# Altium PCB Daughterboard_PCB.PcbDoc
Units mm, origin at the board's own origin, x right, y up, seen from the top; angles counter-clockwise.
Board outline 99 x 139 mm, 6 copper layers (Top, VCC, VS, Internal, GND, Bottom), stack 1.597 mm thick; 83 components, 140 nets, 493 pads, 49 vias.
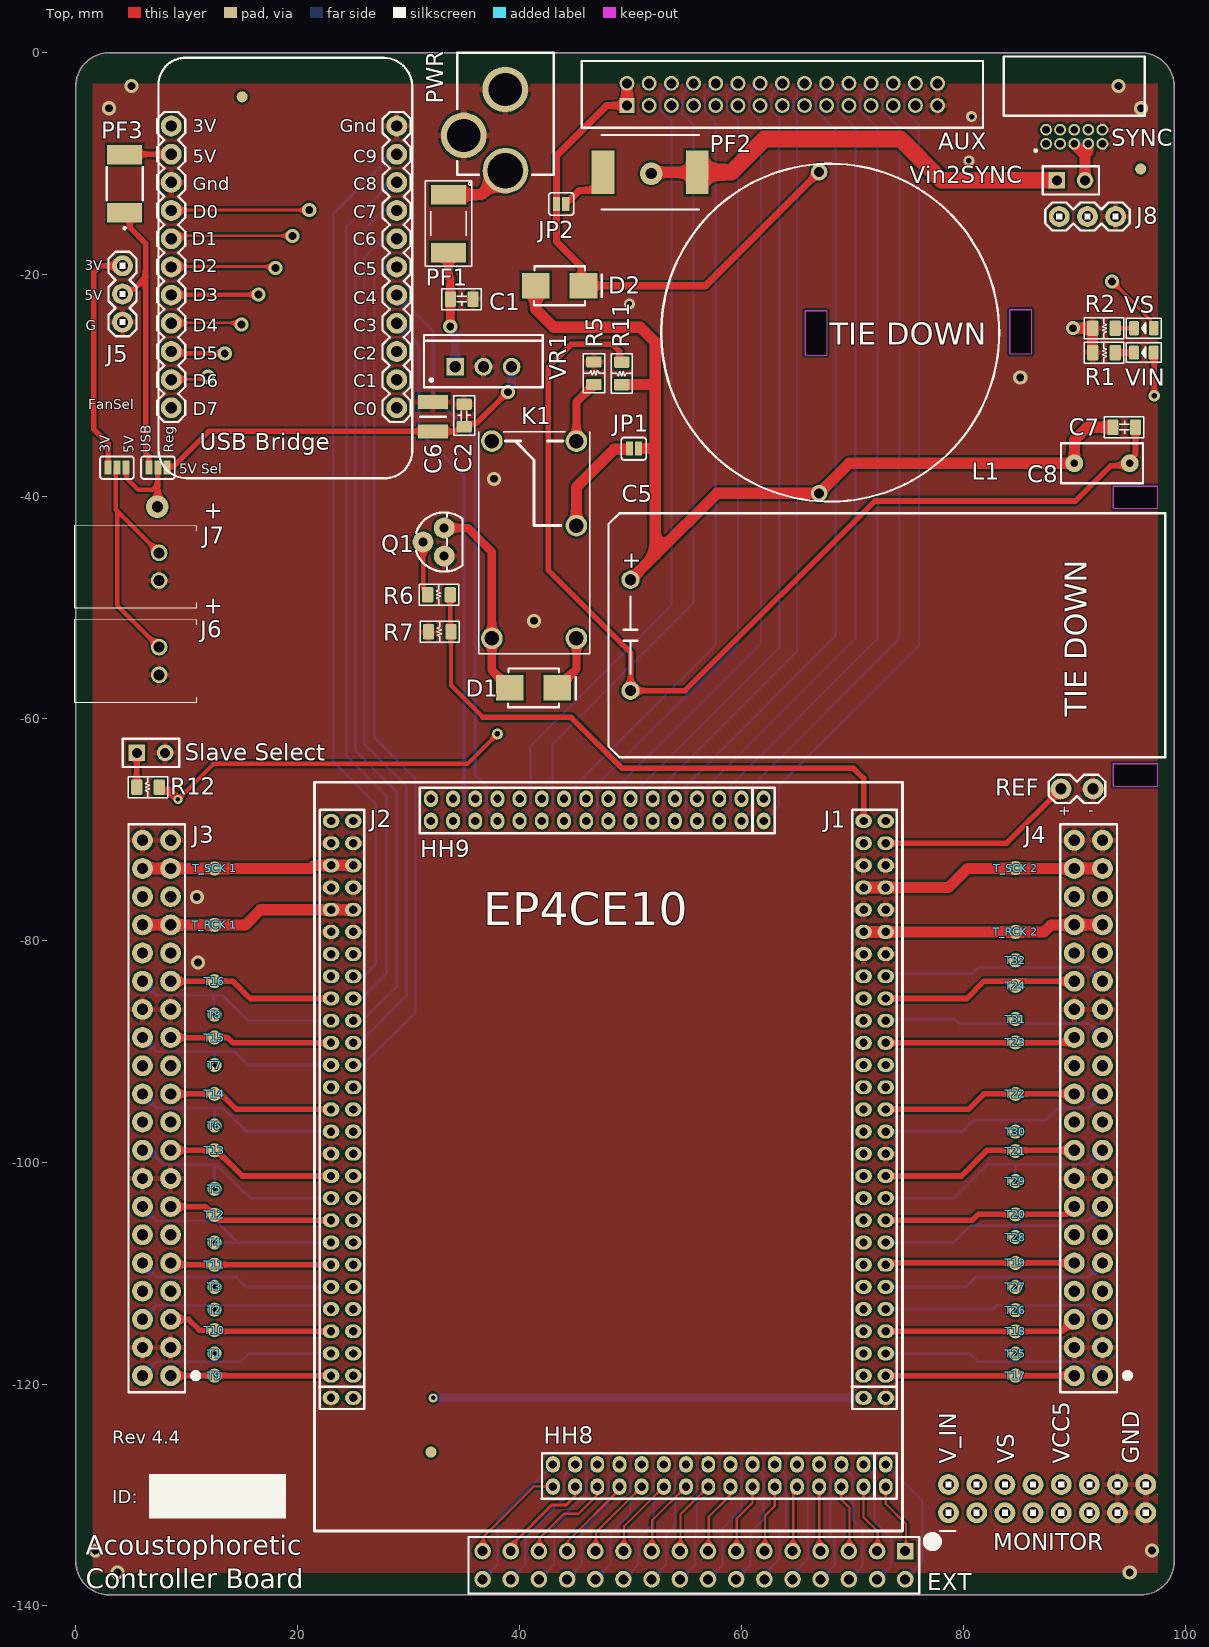
[diagram p0: Top view]
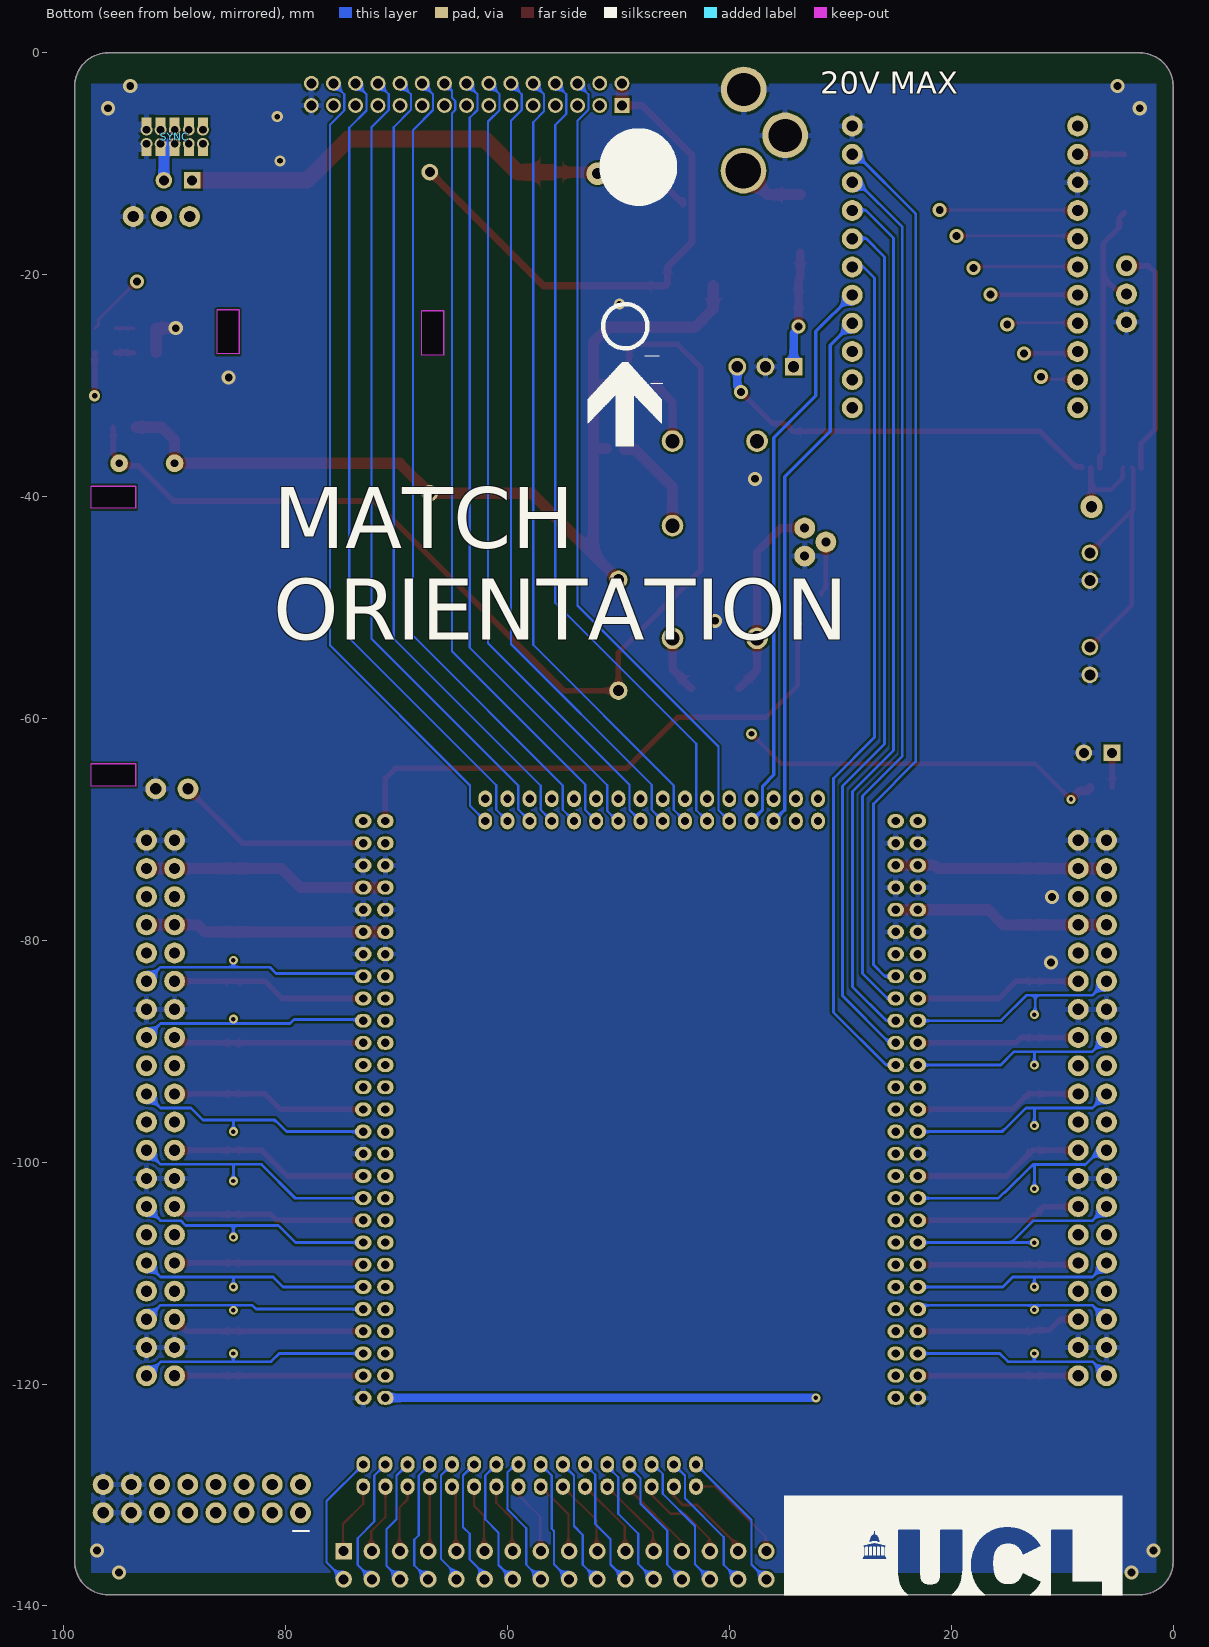
[diagram p1: Bottom view, seen from below]
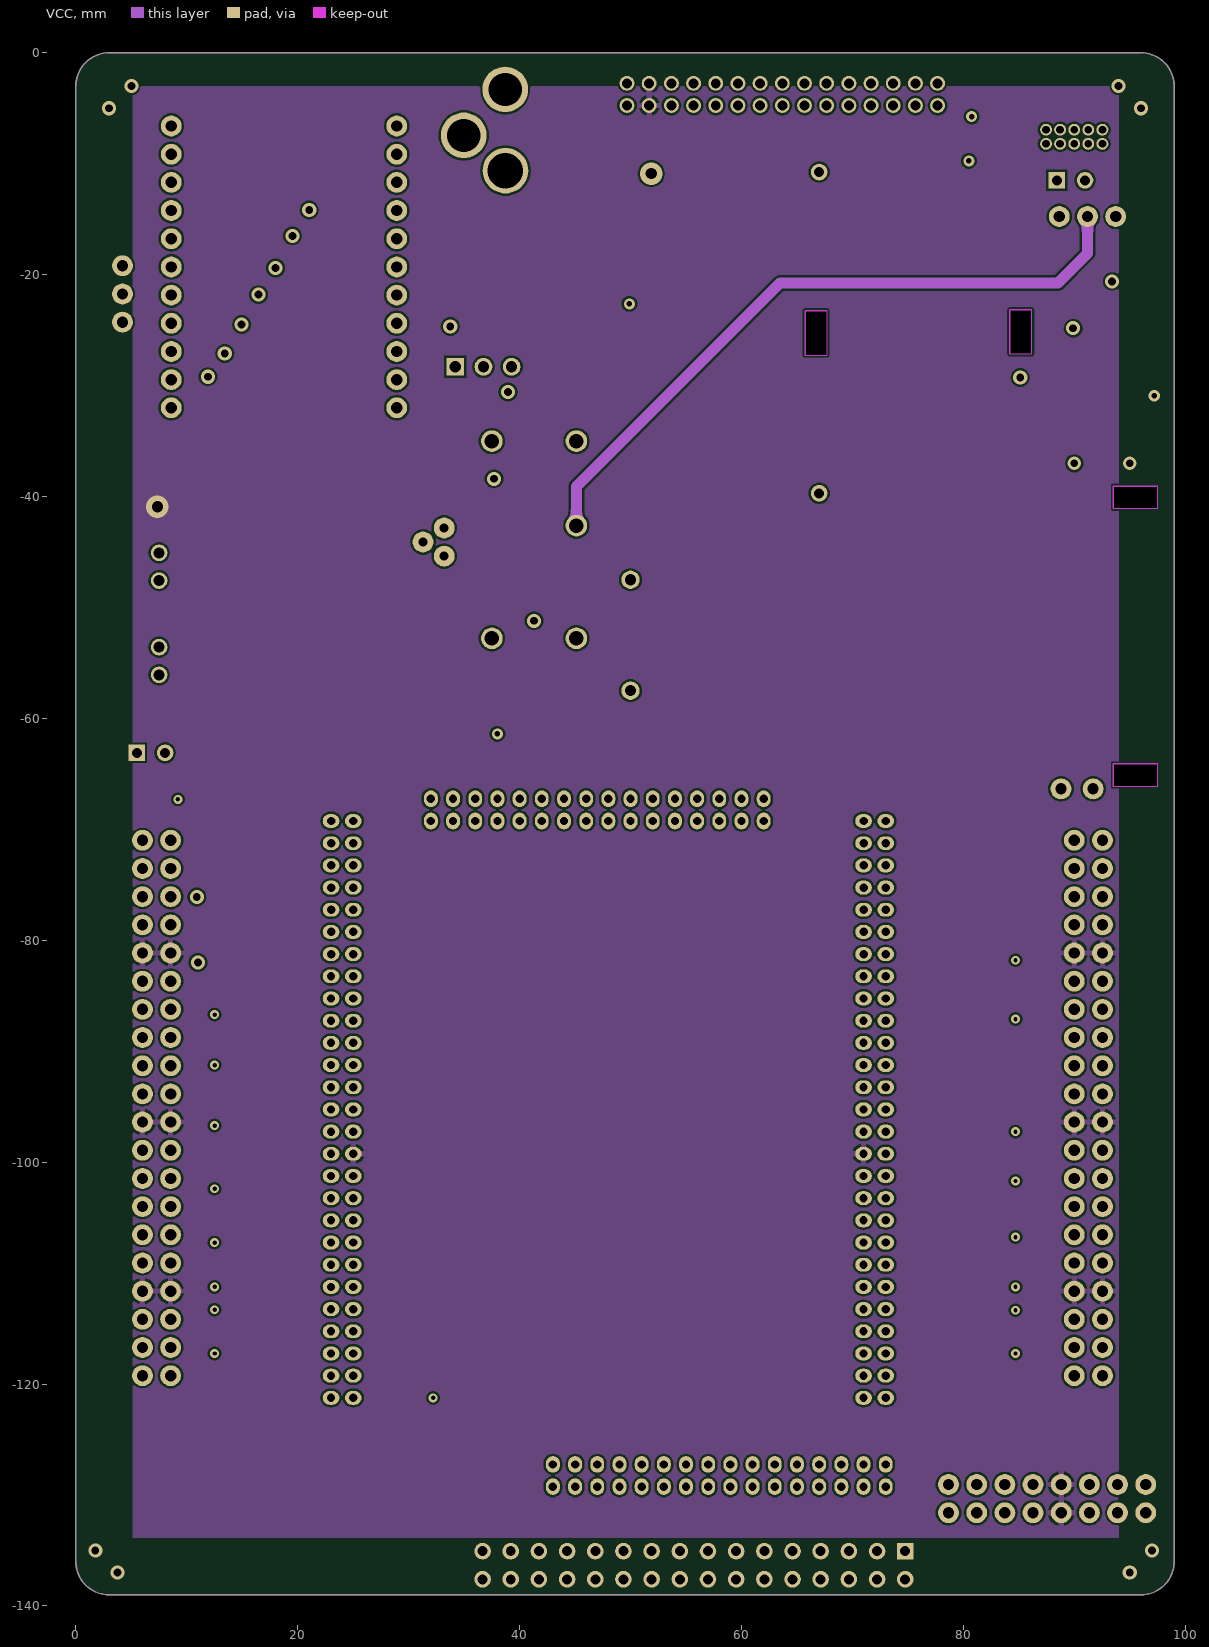
[diagram p2: VCC]
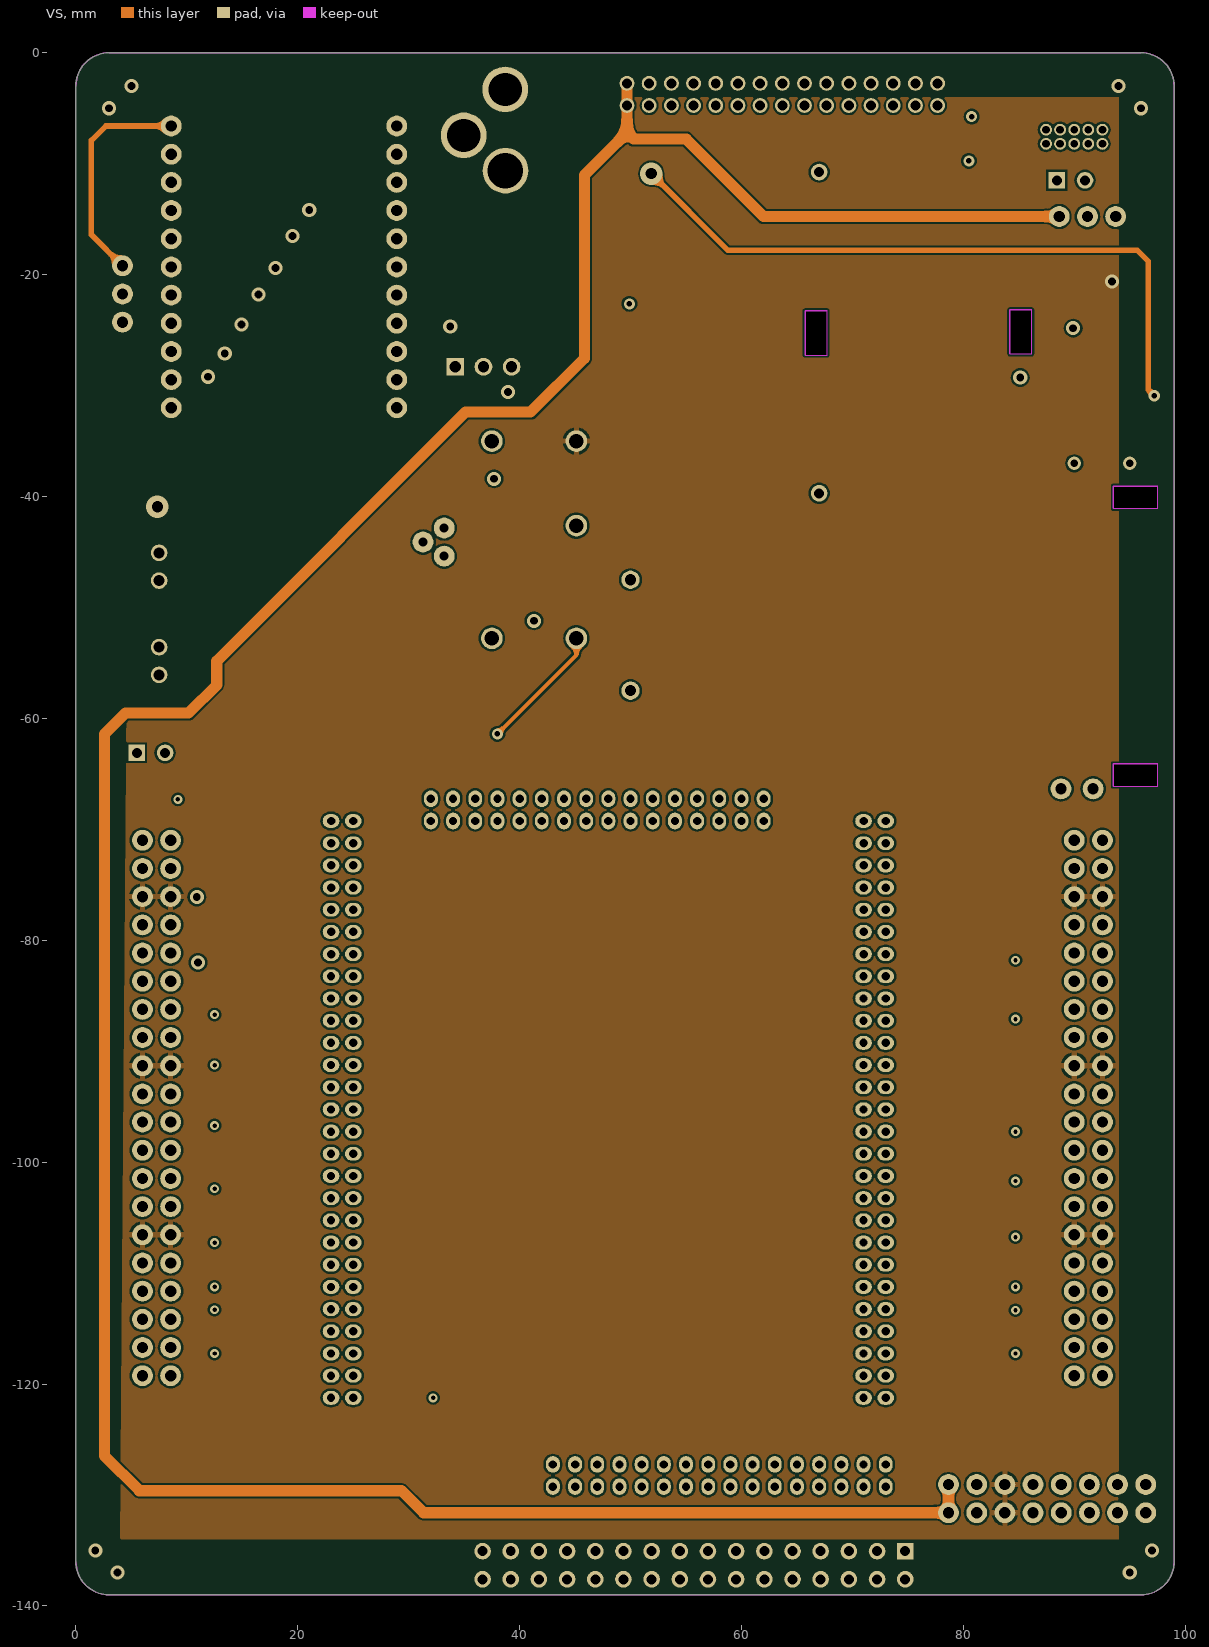
[diagram p3: VS]
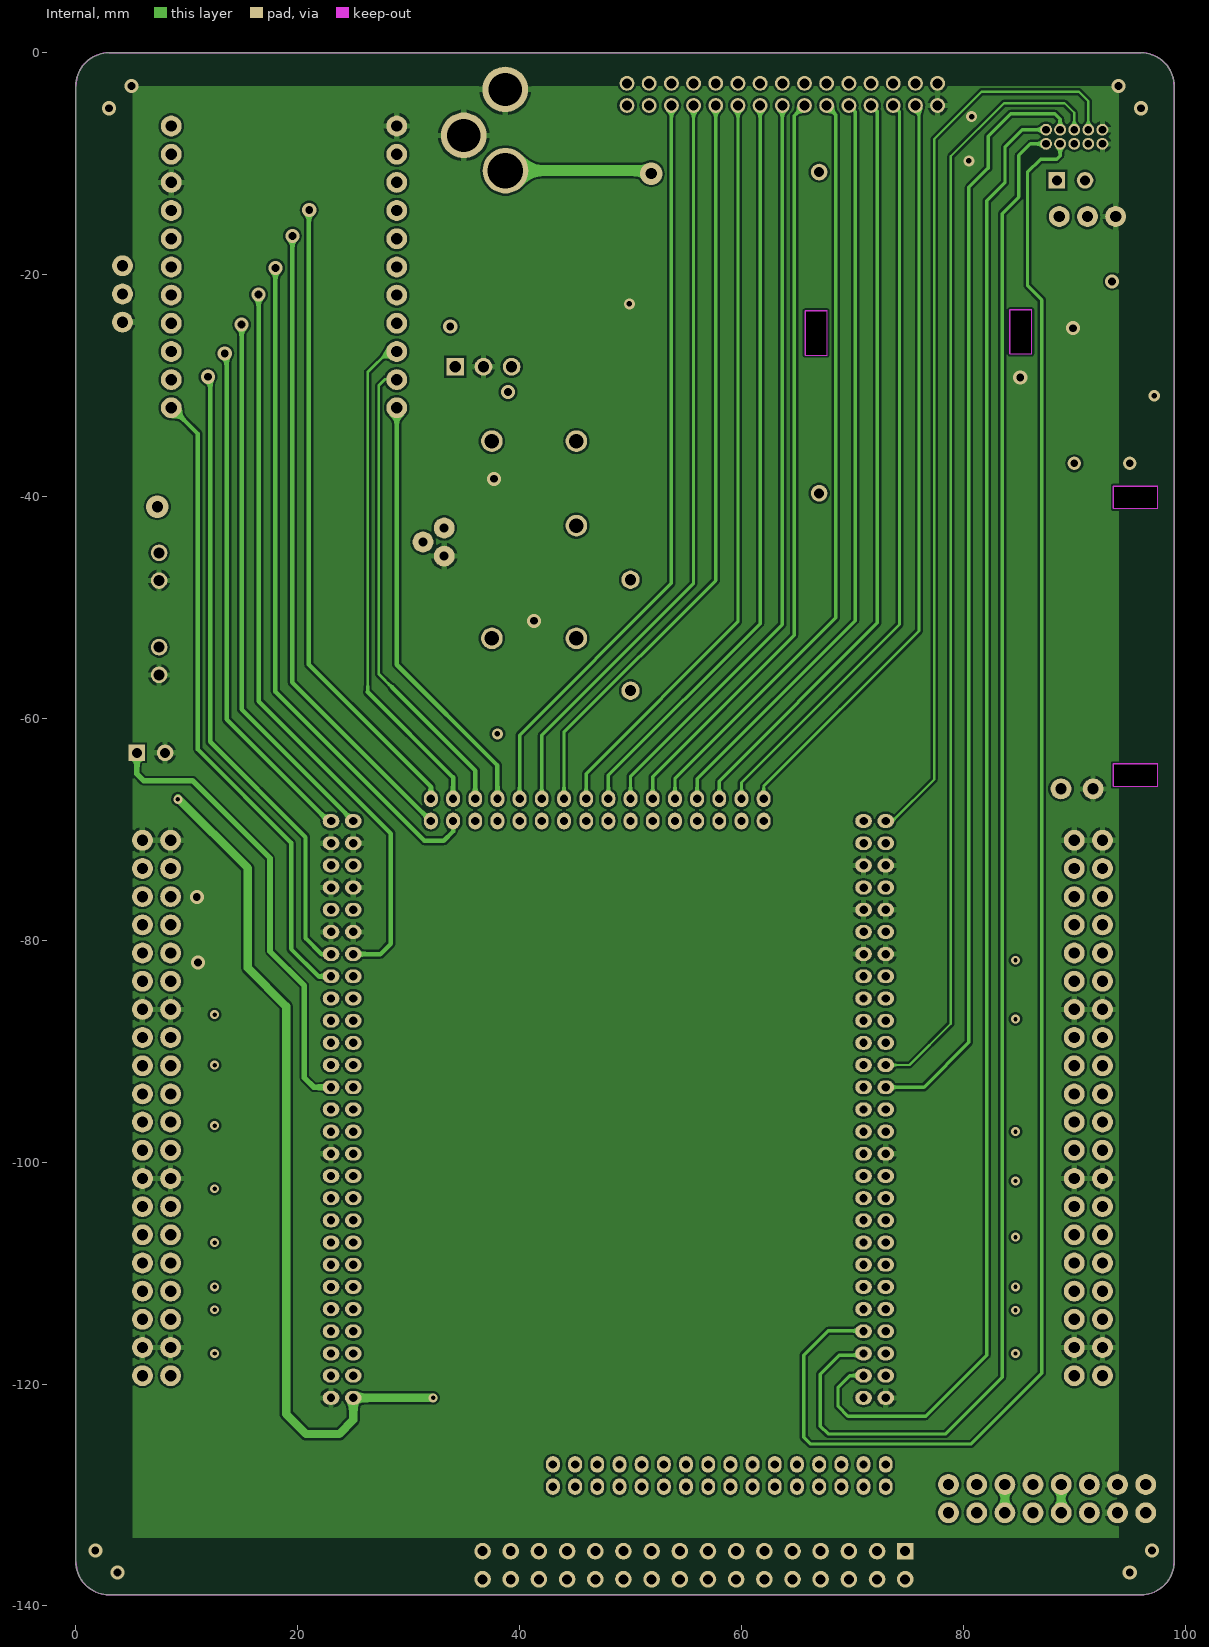
[diagram p4: Internal]
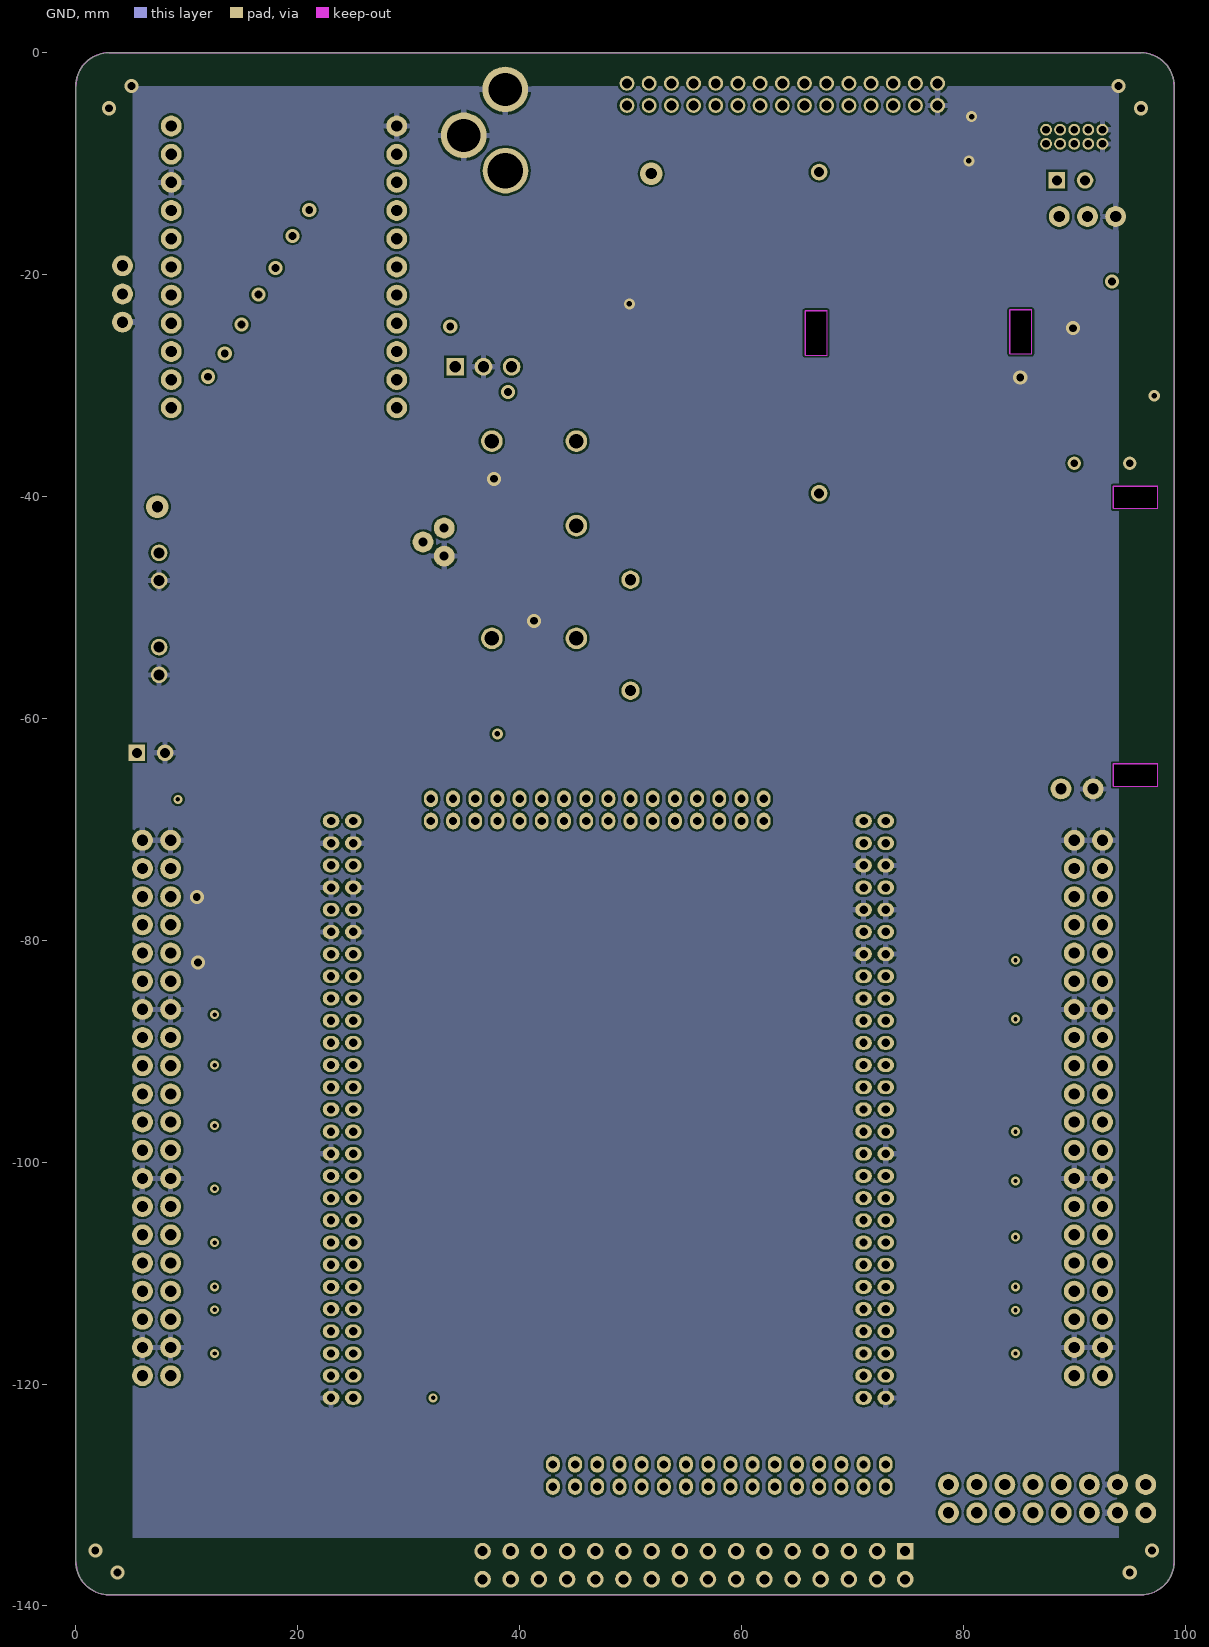
[diagram p5: GND]

## Layer stack, top to bottom
Top Mask: solder mask 0.015, Solder Resist, Dk 3.8
Top: signal copper 0.035
Dielectric 1: prepreg 0.1, 2313, Dk 4.05
VCC: signal copper 0.0175
Core 1: core 0.565, FR-4, Dk 4.5
VS: signal copper 0.0175
Dielectric 2: prepreg 0.127, 2116, Dk 4.25
Internal: signal copper 0.0175
Core 2: core 0.565, FR-4, Dk 4.5
GND: signal copper 0.0175
Dielectric 3: prepreg 0.1, 2313, Dk 4.05
Bottom: signal copper 0.035
Bottom Mask: solder mask 0.015, Solder Resist, Dk 3.8

## Board outline
0,-136 0,-3 cw(c3,-3) 3,0 96,0 cw(c96,-3) 99,-3 99,-136 cw(c96,-136) 96,-139 3,-139 cw(c3,-136)
cut-out: 84.175,-23.15 84.175,-27.15 86.175,-27.15 86.175,-23.15
cut-out: 65.725,-23.25 65.725,-27.25 67.725,-27.25 67.725,-23.25
cut-out: 93.525,-66.1 97.525,-66.1 97.525,-64.1 93.525,-64.1
cut-out: 93.525,-41.075 97.525,-41.075 97.525,-39.075 93.525,-39.075

## Design rules (kind name [scope] priority, off if disabled: settings)
BoardOutlineClearance [All] p1: gap=0.2 ignorepadtopadclearanceinfootprint=FALSE except(0.4: Arc-SplitBarrior Arc-SplitContinuation Track-SplitBarrior Track-SplitContinuation SMDPad-SplitBarrior SMDPad-SplitContinuation THPad-SplitBarrior THPad-SplitContinuation Via-SplitBarrior Via-SplitContinuation Fill-SplitBarrior Fill-SplitContinuation Poly-SplitBarrior Poly-SplitContinuation Region-SplitBarrior Region-SplitContinuation Text-SplitBarrior Text-SplitContinuation)
Clearance "Clearance Bottom Layer" [OnLayer('Bottom Layer')] p1: gap=0.203 ignorepadtopadclearanceinfootprint=TRUE except(0.254: Arc-Text Track-Text SMDPad-Text THPad-Text Via-Text Fill-Text Poly-Text Region-Text Text-Text)
Clearance "Clearance Top Layer" [OnLayer('Top Layer')] p2: gap=0.203 ignorepadtopadclearanceinfootprint=TRUE except(0.254: Arc-Text Track-Text SMDPad-Text THPad-Text Via-Text Fill-Text Poly-Text Region-Text Text-Text)
Clearance [All] p3: gap=0.2 ignorepadtopadclearanceinfootprint=FALSE except(0.089: Arc-Arc Arc-Track Arc-SMDPad Track-Track Track-SMDPad SMDPad-SMDPad; 0.127: Arc-Via Track-Via SMDPad-Via THPad-Via Via-Via; 0.254: Arc-Text Track-Text SMDPad-Text THPad-Text Via-Text Fill-Text Poly-Text Region-Text Text-Text)
HoleSize [All] p1: absolutevalues=TRUE maxlimit=6.3 minlimit=0.2 maxpercent=80.000 minpercent=20.000
MinimumAnnularRing [All] p1: minimumring=0.076
MinimumSolderMaskSliver [All] p1: minsoldermaskwidth=0.1
PolygonConnect PolygonConnect_1 [All] p1: thpad.connectstyle=Relief thpad.reliefconductorwidth=0.508 thpad.reliefentries=4 thpad.polygonreliefangle="90 Angle" thpad.airgapwidth=0.254 smdpad.connectstyle=Relief smdpad.reliefconductorwidth=0.508 smdpad.reliefentries=4 smdpad.polygonreliefangle="90 Angle" smdpad.airgapwidth=0.254 via.connectstyle=Direct via.reliefconductorwidth=0.508 via.reliefentries=4 via.polygonreliefangle="90 Angle" via.airgapwidth=0.254
RoutingCorners [All] p1: cornerstyle=Round minsetback=2.54 maxsetback=2.54
RoutingVias [All] p1: holewidth=0.5 width=1 viastyle="Through Hole" minholewidth=0.2 minwidth=0.45 maxholewidth=1 maxwidth=2
SilkToSilkClearance [All] p1: silktosilkclearance=0.1
SilkToSolderMaskClearance [IsPad] p1: minsilkscreentomaskgap=0.1 clearancetoexposedcopper=TRUE
SolderMaskExpansion [All] p1: expansion=0.102 istentingtop=FALSE
Width [All] p1: maxlimit=2.54 minlimit=0.089 preferedwidth=0.381
25 further rules are at their usual default settings.

## Classes and differential pairs
component class Daughterboard_Headers: AUX EXT FanSel HH8 HH9 J1 J2 J3 J4 J5 J6 J7 PF3 REF SYNC T1 T2 T3 T4 T5 T6 T7 T8 T9 T10 T11 T12 T13 T14 T15 T16 T17 T18 T19 T20 T21 T22 T23 T24 T25 T26 T27 T28 T29 T30 T31 T32 "T_RCK 1" "T_RCK 2" "T_SCK 1" "T_SCK 2" "USB Bridge"
component class Daughterboard_Power: "5V Sel" C1 C2 C5 C6 C7 C8 D1 D2 J8 JP1 JP2 K1 L1 mon MONITOR PF1 PF2 PWR Q1 R1 R2 R5 R6 R7 R11 R12 "Slave Select" VIN Vin2SYNC VR1 VS

## Components (designator, comment, footprint, x,y, rotation, side; value= is the part's Value field where it differs from the comment)
"5V Sel" "USB vs Reg 5V Jumper" SMT-JUMPER_3_1-NC_PASTE_SILK 7.4,-37.4 r180 top
AUX "STMM-115-02-L-D" STMM-115-02-L-D 49.679,-4.75 r0 top
C1 "0.33uF" CAP0805 34.78,-22.205 r90 top
C2 "0.1uF" CAP0805 35,-32.7 r180 top
C5 "4700UuF" "CAP-PTH-10MM PITCH 22M" 50,-47.5 r0 top
C6 "GRM32ER71A476ME15L" CAPC3225X270N 32.2,-32.8 r270 top
C7 "0.1uF" CAP0805 94.5,-33.75 r90 top
C8 "0.33uF Film" "R82DC3330AA60K FILM CAP" 90,-37 r0 top
D1 "S1KB-13-F" SMB-DIODE 41.25,-57.25 r0 top
D2 "S1KB-13-F" SMB-DIODE 43.6,-21 r0 top
EXT "HH8 GHOST" HDR2X16 74.76,-135.06 r180 top
FanSel "3V vs 5V fan" SMT-JUMPER_3_1-NC_PASTE_SILK 3.7,-37.4 r180 top
HH8 "SQW-116-01-F-D" "HEADER 16X2 - 2MM" 73,-127.247 r270 top
HH9 "SQW-116-01-F-D" "HEADER 16X2 - 2MM" 62,-67.247 r270 top
J1 "SQW-127-01-F-D" "HEADER 27X2 - 2MM" 43,-129.247 r180 top
J2 "SQW-127-01-F-D" "HEADER 27X2 - 2MM" -5,-129.247 r180 top
J3 "TSSH-120-01-L-D" 2X20_SOCKET 8.54,-119.247 r180 top
J4 "TSSH-120-01-L-D" 2X20_SOCKET 92.54,-119.247 r180 top
J5 "Pulled out power pins" 1X03 4.2,-24.28 r90 top
J6 "S2B-XH-A-1_LF__SN_" S2BXHA1LFSN 7.5,-56.075 r90 top
J7 "S2B-XH-A-1_LF__SN_" S2BXHA1LFSN 7.5,-47.575 r90 top
J8 "LC Filter Pins" 1X03 93.726,-14.757 r180 top
JP1 "" SMT-JUMPER_2_NC_PASTE_SILK 50.292,-35.687 r180 top
JP2 "" SMT-JUMPER_2_NC_PASTE_SILK 43.75,-13.625 r180 top
K1 "PE014003" "SPDT POWER RELAY" 37.5,-35 r270 top
L1 "1mH" "INDUCTOR HOR 2324VRC" 67,-25.228 r270 top
MONITOR "Multi connection point. Often used as Generic Header-pin footprint for 0.1 inch spaced/style header connections    You can populate with any combo of single row headers, but if you'd like an exact match, check this:  Header - 2x8 (Male, 0.1\") (PRT-13156)       On any of the 0.1 inch spaced packages, you can populate with these:  Break Away Headers - Straight (PRT-00116)   Break Away Male Headers - Right Angle (PRT-00553)   Female Headers (PRT-00115)   Break Away Headers - Machine Pin (PRT-00117)   Break Away Female Headers - Swiss Machine Pin (PRT-00743)" 2X8_NOSILK 78.66,-131.6 r0 top
PF1 "1812L110/33MR" POLYFUSE 33.6,-15.4 r270 top
PF2 "MF-SM185_33-2" FUSM8867X300N 51.765,-10.77 r180 top
PF3 "1812L050PR" 1812L010DR 4.4,-11.8 r90 top
PWR "Jack Socket 5.5mm/2.1mm" POWER_JACK_PTH_LOCK 38.725,3.257 r180 top
Q1 "MOSFET-NCH-2N7000" TO-92 33.2,-44.1 r90 top
R1 "3K BOURNS CRT0805-BY-3001ELF" RES-0805 92.677,-27.024 r270 top
R2 "3K BOURNS CRT0805-BY-3001ELF" RES-0805 92.676,-24.827 r270 top
R5 "10K" RES-0805 46.7,-28.884 r0 top
R6 "330r" RES-0805 32.728,-48.852 r90 top
R7 "10K" RES-0805 32.8,-52.2 r90 top
R11 "10K" RES-0805 49.2,-28.9 r180 top
R12 "10K" RES-0805 6.5,-66.2 r90 top
REF "" 1X02_LOCK_ 91.518,-66.35 r180 top
"Slave Select" "" HDR1X2 5.5,-63.1 r0 top (schematic designator SS)
SYNC "SHF-105-01-L-D-RA" SHF-105-01-L-D-RA 87.452,-8.204 r0 top
T1 "TEST-POINT3X5" PAD.03X.05 12.5,-117.25 r0 top
T2 "TEST-POINT3X5" PAD.03X.05 12.5,-113.3 r0 top
T3 "TEST-POINT3X5" PAD.03X.05 12.5,-111.25 r0 top
T4 "TEST-POINT3X5" PAD.03X.05 12.5,-107.25 r0 top
T5 "TEST-POINT3X5" PAD.03X.05 12.5,-102.4 r0 top
T6 "TEST-POINT3X5" PAD.03X.05 12.5,-96.7 r0 top
T7 "TEST-POINT3X5" PAD.03X.05 12.5,-91.25 r0 top
T8 "TEST-POINT3X5" PAD.03X.05 12.5,-86.7 r0 top
T9 "TEST-POINT3X5" PAD.03X.05 12.5,-119.247 r0 top
T10 "TEST-POINT3X5" PAD.03X.05 12.5,-115.139 r90 top
T11 "TEST-POINT3X5" PAD.03X.05 12.5,-109.247 r0 top
T12 "TEST-POINT3X5" PAD.03X.05 12.5,-104.75 r90 top
T13 "TEST-POINT3X5" PAD.03X.05 12.5,-98.927 r90 top
T14 "TEST-POINT3X5" PAD.03X.05 12.5,-93.847 r90 top
T15 "TEST-POINT3X5" PAD.03X.05 12.5,-88.767 r90 top
T16 "TEST-POINT3X5" PAD.03X.05 12.5,-83.687 r90 top
T17 "TEST-POINT3X5" PAD.03X.05 84.7,-119.247 r90 top
T18 "TEST-POINT3X5" PAD.03X.05 84.7,-115.247 r90 top
T19 "TEST-POINT3X5" PAD.03X.05 84.7,-109.087 r90 top
T20 "TEST-POINT3X5" PAD.03X.05 84.7,-104.7 r90 top
T21 "TEST-POINT3X5" PAD.03X.05 84.7,-99 r90 top
T22 "TEST-POINT3X5" PAD.03X.05 84.7,-93.847 r90 top
T23 "TEST-POINT3X5" PAD.03X.05 84.7,-89.2 r90 top
T24 "TEST-POINT3X5" PAD.03X.05 84.7,-84.1 r90 top
T25 "TEST-POINT3X5" PAD.03X.05 84.7,-117.25 r90 top
T26 "TEST-POINT3X5" PAD.03X.05 84.7,-113.347 r90 top
T27 "TEST-POINT3X5" PAD.03X.05 84.7,-111.25 r90 top
T28 "TEST-POINT3X5" PAD.03X.05 84.7,-106.75 r90 top
T29 "TEST-POINT3X5" PAD.03X.05 84.7,-101.7 r90 top
T30 "TEST-POINT3X5" PAD.03X.05 84.7,-97.25 r90 top
T31 "TEST-POINT3X5" PAD.03X.05 84.7,-87.1 r90 top
T32 "TEST-POINT3X5" PAD.03X.05 84.7,-81.8 r90 top
"T_RCK 1" "TEST-POINT3X5" PAD.03X.05 12.5,-78.607 r90 top
"T_RCK 2" "TEST-POINT3X5" PAD.03X.05 84.7,-79.247 r90 top
"T_SCK 1" "TEST-POINT3X5" PAD.03X.05 12.5,-73.527 r90 top
"T_SCK 2" "TEST-POINT3X5" PAD.03X.05 84.7,-73.5 r90 top
"USB Bridge" "FT232H" FT232H 8.6,-6.6 r0 top
VIN "Green WURTH 150080VS75000" "LED-0805 - GREEN" 96.261,-27.024 r180 top
Vin2SYNC "" HDR1X2 88.425,-11.5 r0 top
VR1 "OKI-78SR-5" OOKA-78SR 36.74,-28.3 r0 top
VS "Red WURTH 150080RS75000" "LED-0805 - RED" 96.27,-24.827 r180 top
